# Altium PCB KB-Mouse Interface.PcbDoc (part 2 of 2)
Units mil, origin at the board's own origin, x right, y up, seen from the top; angles counter-clockwise.
Board outline 5787.4 x 4015.75 mil, 2 copper layers (Top Layer, Bottom Layer); 66 components, 141 nets, 504 pads, 138 vias.
Unrouted connection lines stored in the file: 1.
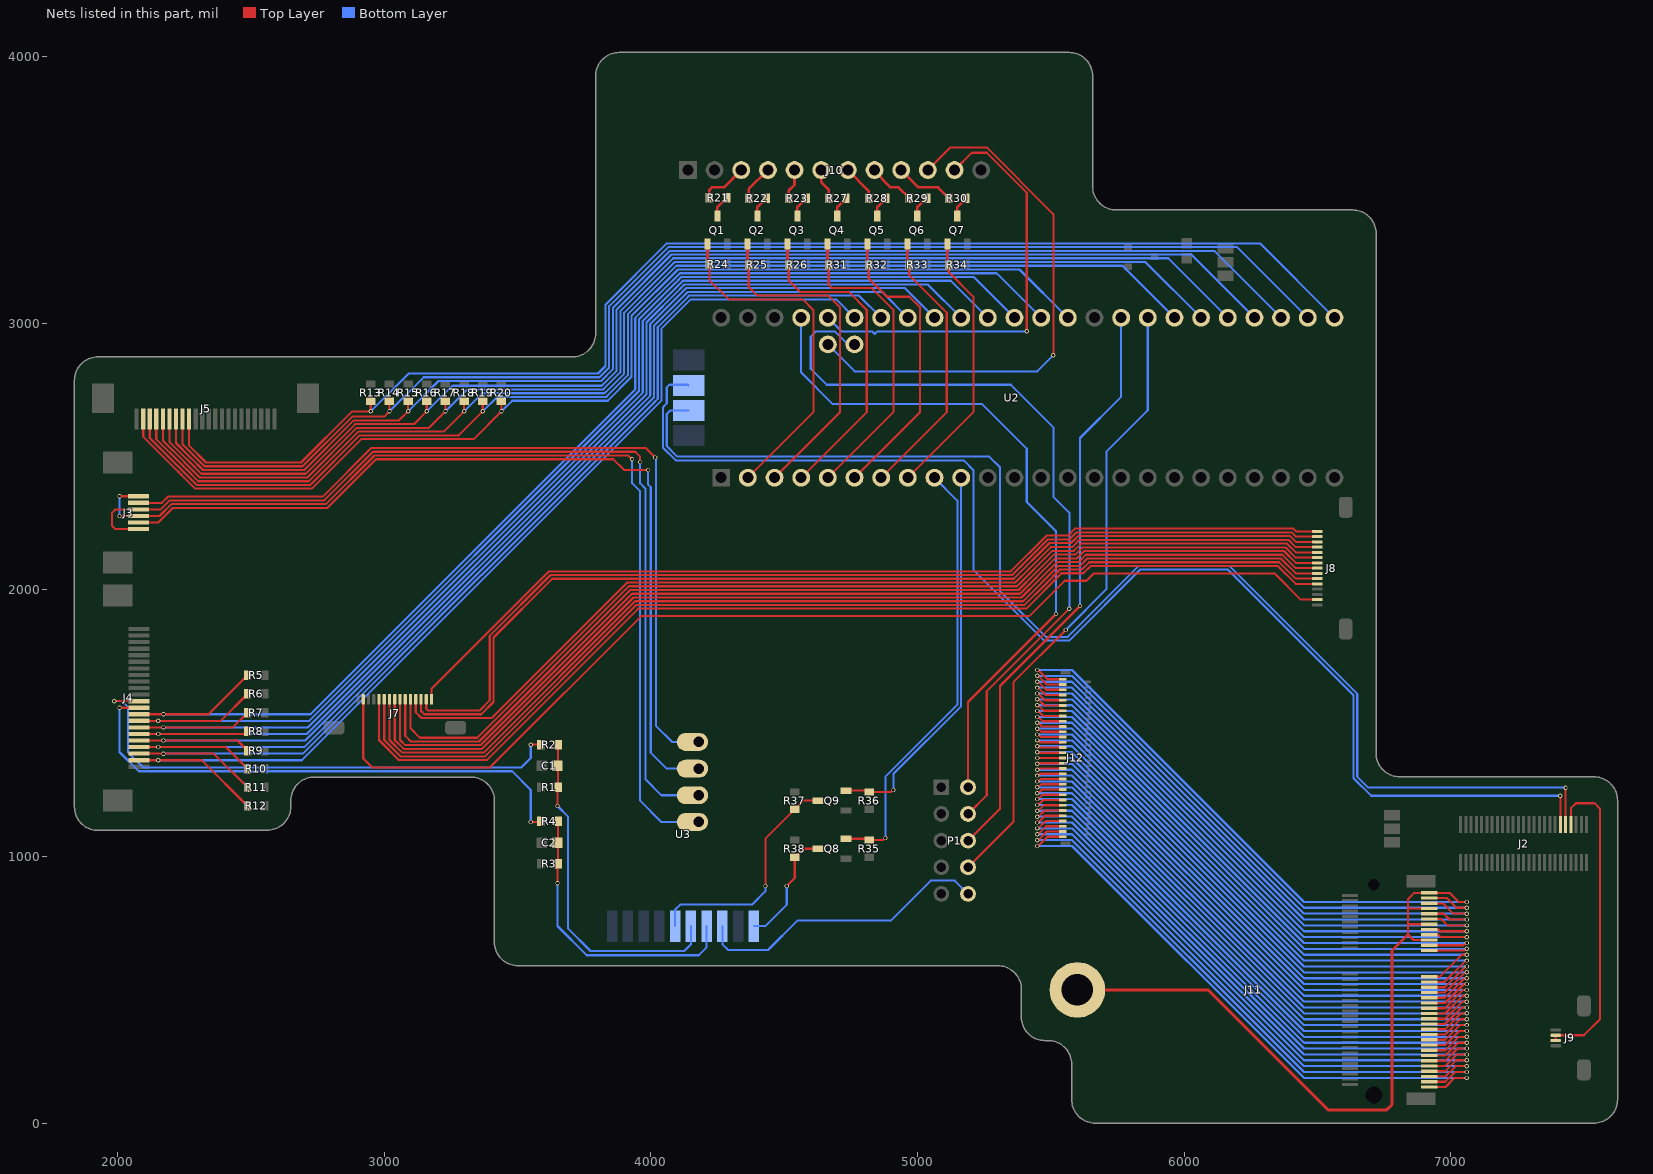
[diagram p2: the nets of this part, all layers, seen from the top]

## Via types
v1: diameter 16, hole 10, Top Layer to Bottom Layer, 138 vias

## Nets (pads, with @x,y where several pads share a name; then routed paths per layer and width w, separated by ;. In a path a pad name is that pad's centre, name@x,y a point inside that pad or via, vN(x,y) a via of type N, cw(c..) or ccw(c..) an arc to the next point about the centre after c; other vN are vias at no path point) (continued)
"M.2 GND": J11.1 J11.7 J11.13 J11.19 J11.78 J11.79 J12.61 | length 4745.1
  Top Layer w8: v1(5450,1699.84) 5453.46,1699.84 5488.18,1665.12 J12.61@5545.31,1665.12 ; J11.19@6920,687.01 6860.99,687.01 6840,708 6840,750 ; J11.13@6920,746.06 6843.94,746.06 6840,750 ; J11.7@6920,805.12 6842.88,805.12 6840,808 ; v1(7060,830) 7030,830 6995.83,864.17 J11.1@6920,864.17 6864.17,864.17 6840,840 6840,808 ; 6840,750 6840,808
  Top Layer w12: J11.79@5600.12,500 6090,500 6540,50 6760,50 6780,70 6780,648 6840,708
  Bottom Layer w8: v1(5450,1699.84) 5580,1699.84 6449.84,830 v1(7060,830)
Mouse_L_Raw: J4.12 R2.1 | length 1959.5
  Top Layer w8: v1(1987.8,1583.03) J4.12@2080,1583.03 ; v1(3550,1420) R2.1@3587.44,1420
  Bottom Layer w8: v1(1987.8,1583.03) 2016.97,1583.03 2040,1560 2040,1390 2096,1334 3514,1334 3550,1370 v1(3550,1420)
Mouse_R_Raw: J4.13 R4.1 | length 1998.3
  Top Layer w8: v1(2007.6,1558.43) J4.13@2080,1558.43 ; v1(3550,1130) 3585,1130 R4.1@3587.44,1132.44
  Bottom Layer w8: v1(2007.6,1558.43) 2007.6,1392.4 2080,1320 3480,1320 3550,1250 v1(3550,1130)
NetC1_2: C1.2 R1.2 R2.2 U3.5@4150.47,739.29 | length 1281.9
  Top Layer w8: v1(3650,1190) 3650,1257.44 R1.2@3652.56,1260 R2.2@3652.56,1420
  Bottom Layer w8: v1(3650,1190) 3690,1150 3690,730 3774,646 4126,646 4150.47,670.47 U3.5@4150.47,739.29
NetC2_2: C2.2 R3.2 R4.2 U3.4@4209.53,739.29 | length 1090.6
  Top Layer w8: v1(3650,900) 3650,969.88 R3.2@3652.56,972.44 R4.2@3652.56,1132.44
  Bottom Layer w8: v1(3650,900) 3650,740 3760,630 4180,630 4209.53,659.53 U3.4@4209.53,739.29
NetJ2_40: J2.40 U2.60 | length 4955.7
  Top Layer w8: J2.40@7411.57,1120 v1(7411.57,1228.43)
  Bottom Layer w8: U2.60@4142.13,2767.57 4139.7,2770 4070,2770 4060,2760 4060,2700 4046,2686 4046,2534 4094,2486 5174,2486 5210,2450 5210,2076 5476,1810 5569.8,1810 5836.43,2076.63 6164,2076.63 6636,1604.63 6636,1294.2 6701.78,1228.43 v1(7411.57,1228.43)
NetJ2_42: J2.42 U2.59 | length 4922.9
  Top Layer w8: J2.42@7431.26,1120 v1(7431.26,1258.74)
  Bottom Layer w8: U2.59@4142.13,2673.08 4073.08,2673.08 4060,2660 4060,2540 4100,2500 5270,2500 5310,2460 5310,1995.8 5481.8,1824 5564,1824 5830.63,2090.63 6169.8,2090.63 6650,1610.43 6650,1300 6691.26,1258.74 v1(7431.26,1258.74)
NetJ2_44: J2.44 J9.2 J9.3 | length 1187
  Top Layer w8: J9.2@7393.7,310.24 J9.3@7393.7,329.92 7499.92,329.92 7560,390 7560,1180 7540,1200 7470,1200 7450.94,1180.94 J2.44@7450.94,1120
NetJ3_1: J3.1 J3.4 U3.TP_XSIG@4180,1130 | length 3703.1
  Top Layer w8: v1(2007.72,2277.72) J3.4@2079.37,2277.72 2157.72,2277.72 2202,2322 2781.6,2322 2963.9,2504.3 3915.7,2504.3 v1(3930,2490) ; v1(2007.72,2351.5) J3.1@2079.37,2351.5
  Bottom Layer w8: v1(2007.72,2277.72) v1(2007.72,2351.5) ; v1(3930,2490) 3930,2400 3960,2370 3960,1210 4040,1130 U3.TP_XSIG@4170,1130
NetJ3_2: J3.2 U3.TP_VCC@4180,1430 | length 3220
  Top Layer w8: J3.2@2079.37,2326.89 2166.3,2326.89 2189.41,2350 2770,2350 2952.3,2532.3 3981.04,2532.3 v1(4016.67,2496.67)
  Bottom Layer w8: v1(4016.67,2496.67) 4019.11,2494.23 4019.11,1490.89 4080,1430 U3.TP_VCC@4170,1430
NetJ3_3: J3.3 J3.6 U3.TP_YSIG@4180,1230 | length 3669.7
  Top Layer w8: J3.6@2079.37,2228.5 1991.5,2228.5 1980,2240 1980,2290 1992.28,2302.28 J3.3@2079.37,2302.28 2161.69,2302.28 2195.41,2336 2775.8,2336 2958.1,2518.3 3941.7,2518.3 3960,2500 v1(3960,2480)
  Bottom Layer w8: v1(3960,2480) 3960.15,2480.15 3960.15,2399.85 3980,2380 3980,1290 4040,1230 U3.TP_YSIG@4170,1230
NetJ3_5: J3.5 U3.TP_GND@4180,1330 | length 3284.6
  Top Layer w8: J3.5@2079.37,2253.11 2153.11,2253.11 2208,2308 2787.4,2308 2969.7,2490.3 3859.7,2490.3 3900,2450 v1(3990,2450)
  Bottom Layer w8: v1(3990,2450) 3990,2395.12 4000,2385.12 4000,1390 4060,1330 U3.TP_GND@4170,1330
NetJ7_2: J7.2 J8.2 | length 4156.6
  Top Layer w8: J7.2@2921.57,1590 2921.57,1368.22 2955.8,1334 3396.2,1334 3964.2,1902 5419.79,1902 5552.42,2034.63 5634.43,2034.63 5661.8,2062 6340.01,2062 6438.23,1963.78 J8.2@6500,1963.78
NetJ7_5: J7.5 J8.5 | length 4032.7
  Top Layer w8: J7.5@2980.63,1590 2980.63,1437.17 3055.8,1362 3384.6,1362 3952.6,1930 5408.19,1930 5540.82,2062.63 5622.43,2062.63 5649.8,2090 6351.61,2090 6418.77,2022.83 J8.5@6500,2022.83
NetJ7_6: J7.6 J8.6 | length 4004.8
  Top Layer w8: J7.6@3000.31,1590 3000.31,1437.28 3061.6,1376 3378.8,1376 3946.8,1944 5402.39,1944 5479.2,2020.8 5535.02,2076.63 5616.63,2076.63 5644,2104 6357.41,2104 6418.89,2042.52 J8.6@6500,2042.52
NetJ7_7: J7.7 J8.7 | length 3976.9
  Top Layer w8: J7.7@3020,1590 3020,1437.4 3067.4,1390 3373.01,1390 3941.01,1958 5396.59,1958 5529.22,2090.63 5610.23,2090.63 5637.6,2118 6363.21,2118 6419,2062.2 J8.7@6500,2062.2
NetJ7_8: J7.8 J8.8 | length 3949
  Top Layer w8: J7.8@3039.68,1590 3039.68,1437.51 3073.2,1404 3367.21,1404 3935.21,1972 5390.79,1972 5459.4,2040.6 5523.42,2104.63 5604.43,2104.63 5631.8,2132 6369.01,2132 6419.12,2081.89 J8.8@6500,2081.89
NetJ7_9: J7.9 J8.9 | length 3921.1
  Top Layer w8: J7.9@3059.37,1590 3059.37,1437.62 3078.99,1418 3361.41,1418 3929.41,1986 5384.99,1986 5517.62,2118.63 5598.63,2118.63 5626,2146 6374.8,2146 6419.23,2101.57 J8.9@6500,2101.57
NetJ7_10: J7.10 J8.10 | length 3884.3
  Top Layer w8: J7.10@3079.06,1590 3079.06,1452.94 3100,1432 3355.61,1432 3923.61,2000 5379.2,2000 5439.6,2060.4 5511.83,2132.63 5592.63,2132.63 5620,2160 6380.6,2160 6419.34,2121.26 J8.10@6500,2121.26
NetJ7_11: J7.11 J8.11 | length 3839.8
  Top Layer w8: J7.11@3098.74,1590 3098.74,1481.26 3134,1446 3349.81,1446 3917.81,2014 5373.4,2014 5506.03,2146.63 5586.67,2146.63 5614.04,2174 6386.4,2174 6419.46,2140.94 J8.11@6500,2140.94
NetJ7_12: J7.12 J8.12 | length 3727
  Top Layer w8: J7.12@3118.43,1590 3118.43,1541.57 3140,1520 3404.01,1520 3912.01,2028 5367.6,2028 5419.8,2080.2 5500.23,2160.63 5580.87,2160.63 5608.24,2188 6392.2,2188 6419.57,2160.63 J8.12@6500,2160.63
NetJ7_13: J7.13 J8.13 | length 3838.4
  Top Layer w8: J7.13@3138.11,1590 3138.11,1545.89 3150,1534 3364,1534 3410,1580 3410,1822 3630,2042 5361.8,2042 5495.8,2176 5576.44,2176 5602.44,2202 6398,2202 6419.69,2180.32 J8.13@6500,2180.32
NetJ7_14: J7.14 J8.14 | length 3805.7
  Top Layer w8: J7.14@3157.8,1590 3157.8,1554.2 3164,1548 3358.2,1548 3396,1585.8 3396,1827.8 3624.2,2056 5356,2056 5400,2100 5490,2190 5570.64,2190 5596.64,2216 6403.89,2216 6419.89,2200 J8.14@6500,2200
NetJ7_15: J7.15 J8.15 | length 3614.8
  Top Layer w8: J7.15@3177.48,1590 3177.48,1629.08 3618.4,2070 5350.2,2070 5484.2,2204 5564.84,2204 5590.84,2230 6409.69,2230 6420,2219.69 J8.15@6500,2219.69
NetJ10_3: J10.3 R21.2 | length 179
  Top Layer w10: R21.2@4220,3471.5 4220,3500 4230,3510 4274.32,3510 J10.3@4339.37,3575.05
NetJ10_4: J10.4 R22.2 | length 134.8
  Top Layer w10: R22.2@4367.44,3470 4367.44,3503.12 J10.4@4439.37,3575.05
NetJ10_5: J10.5 R23.2 | length 114.1
  Top Layer w10: R23.2@4517.44,3470 4517.44,3497.44 4539.37,3519.37 J10.5@4539.37,3575.05
NetJ10_6: J10.6 R27.2 | length 116.7
  Top Layer w10: J10.6@4639.37,3575.05 4639.37,3530.63 4667.44,3502.56 R27.2@4667.44,3470
NetJ10_7: J10.7 R28.2 | length 137.4
  Top Layer w10: J10.7@4739.37,3575.05 4817.44,3496.98 R28.2@4817.44,3470
NetJ10_8: J10.8 R29.2 | length 176.4
  Top Layer w10: J10.8@4839.37,3575.05 4839.37,3570.63 4900,3510 4929.69,3510 R29.2@4969.69,3470
NetJ10_9: J10.9 R30.2 | length 221.6
  Top Layer w10: J10.9@4939.37,3575.05 5004.42,3510 5077.44,3510 R30.2@5117.44,3470
NetJ10_10: J10.10 U2.56 | length 2051.8
  Top Layer w8: J10.10@5039.37,3575.05 5124.32,3660 5259.8,3660 5510,3409.8 v1(5510,2880)
  Bottom Layer w8: U2.56@4664.17,2921.12 4765.29,2820 5450,2820 v1(5510,2880)
NetJ10_11: J10.11 U2.44 | length 1654.9
  Top Layer w8: J10.11@5139.37,3575.05 5204.32,3640 5260,3640 5410,3490 v1(5410,2970)
  Bottom Layer w8: U2.44@4664.17,3021.12 4715.29,2970 4830,2970 4840,2960 4850,2970 v1(5410,2970)
NetJ11_3: J11.3 J12.59 | length 2234.2
  Top Layer w8: v1(5450,1677.84) 5453.46,1677.84 5485.87,1645.43 J12.59@5545.31,1645.43 ; J11.3@6920,844.49 6985.51,844.49 7022,808 v1(7060,808)
  Bottom Layer w8: v1(5450,1677.84) 5580,1677.84 6449.84,808 v1(7060,808)
NetJ11_5: J11.5 J12.57 | length 2234.2
  Top Layer w8: v1(5450,1655.84) 5453.46,1655.84 5483.55,1625.75 J12.57@5545.31,1625.75 ; J11.5@6920,824.8 6971.2,824.8 7010,786 v1(7060,786)
  Bottom Layer w8: v1(5450,1655.84) 5580,1655.84 6449.84,786 v1(7060,786)
NetJ11_9: J11.9 J12.55 | length 2226
  Top Layer w8: v1(5450,1633.84) 5453.46,1633.84 5481.24,1606.06 J12.55@5545.31,1606.06 ; J11.9@6920,785.43 6974.57,785.43 6996,764 v1(7060,764)
  Bottom Layer w8: v1(5450,1633.84) 5580,1633.84 6449.84,764 v1(7060,764)
NetJ11_11: J11.11 J12.53 | length 2226
  Top Layer w8: v1(5450,1611.84) 5453.46,1611.84 5478.92,1586.38 J12.53@5545.31,1586.38 ; J11.11@6920,765.75 6964.25,765.75 6988,742 v1(7060,742)
  Bottom Layer w8: v1(5450,1611.84) 5580,1611.84 6449.84,742 v1(7060,742)
NetJ11_15: J11.15 J12.51 | length 2217.8
  Top Layer w8: v1(5450,1589.84) 5453.46,1589.84 5476.61,1566.69 J12.51@5545.31,1566.69 ; J11.15@6920,726.38 6954.51,726.38 6960.89,720 v1(7060,720)
  Bottom Layer w8: v1(5450,1589.84) 5580,1589.84 6449.84,720 v1(7060,720)
NetJ11_17: J11.17 J12.49 | length 2217.8
  Top Layer w8: v1(5450,1567.84) 5453.46,1567.84 5474.29,1547.01 J12.49@5545.31,1547.01 ; J11.17@6920,706.69 6954.4,706.69 6963.09,698 v1(7060,698)
  Bottom Layer w8: v1(5450,1567.84) 5580,1567.84 6449.84,698 v1(7060,698)
NetJ11_21: J11.21 J12.47 | length 2216.9
  Top Layer w8: v1(5450,1545.84) 5453.46,1545.84 5471.98,1527.32 J12.47@5545.31,1527.32 ; J11.21@6920,667.32 7047.87,667.32 7056.54,676 v1(7060,676)
  Bottom Layer w8: v1(5450,1545.84) 5580,1545.84 6449.84,676 v1(7060,676)
NetJ11_23: J11.23 J12.45 | length 2215
  Top Layer w8: v1(5450,1523.84) 5453.46,1523.84 5469.66,1507.64 J12.45@5545.31,1507.64 ; J11.23@6920,647.64 7050.18,647.64 7056.54,654 v1(7060,654)
  Bottom Layer w8: v1(5450,1523.84) 5580,1523.84 6449.84,654 v1(7060,654)
NetJ11_33: J11.33 J12.43 | length 2245.7
  Top Layer w8: v1(5450,1501.84) 5453.46,1501.84 5467.35,1487.95 J12.43@5545.31,1487.95 ; J11.33@6920,549.21 6959.21,549.21 7042,632 v1(7060,632)
  Bottom Layer w8: v1(5450,1501.84) 5580,1501.84 6449.84,632 v1(7060,632)
NetJ11_35: J11.35 J12.41 | length 2243.7
  Top Layer w8: v1(5450,1479.84) 5453.46,1479.84 5465.03,1468.27 J12.41@5545.31,1468.27 ; J11.35@6920,529.53 6976.07,529.53 7056.54,610 v1(7060,610)
  Bottom Layer w8: v1(5450,1479.84) 5580,1479.84 6449.84,610 v1(7060,610)
NetJ11_37: J11.37 J12.39 | length 2241.8
  Top Layer w8: v1(5450,1457.84) 5453.46,1457.84 5462.72,1448.58 J12.39@5545.31,1448.58 ; J11.37@6920,509.84 6978.39,509.84 7056.54,588 v1(7060,588)
  Bottom Layer w8: v1(5450,1457.84) 5580,1457.84 6449.84,588 v1(7060,588)
NetJ11_39: J11.39 J12.37 | length 2239.9
  Top Layer w8: v1(5450,1435.84) 5453.46,1435.84 5460.4,1428.9 J12.37@5545.31,1428.9 ; J11.39@6920,490.16 6978.5,490.16 7054.34,566 v1(7060,566)
  Bottom Layer w8: v1(5450,1435.84) 5580,1435.84 6449.84,566 v1(7060,566)
NetJ11_41: J11.41 J12.35 | length 2238
  Top Layer w8: v1(5450,1413.84) 5453.46,1413.84 5458.09,1409.21 J12.35@5545.31,1409.21 ; J11.41@6920,470.47 6978.61,470.47 7052.14,544 v1(7060,544)
  Bottom Layer w8: v1(5450,1413.84) 5580,1413.84 6449.84,544 v1(7060,544)
NetJ11_43: J11.43 J12.33 | length 2236.1
  Top Layer w8: v1(5450,1391.84) 5452.31,1389.53 J12.33@5545.31,1389.53 ; J11.43@6920,450.79 6978.73,450.79 7049.94,522 v1(7060,522)
  Bottom Layer w8: v1(5450,1391.84) 5580,1391.84 6449.84,522 v1(7060,522)
NetJ11_45: J11.45 J12.31 | length 2234.2
  Top Layer w8: v1(5450,1369.84) J12.31@5545.31,1369.84 ; J11.45@6920,431.1 6978.84,431.1 7047.74,500 v1(7060,500)
  Bottom Layer w8: v1(5450,1369.84) 5580,1369.84 6449.84,500 v1(7060,500)
NetJ11_47: J11.47 J12.29 | length 2234.2
  Top Layer w8: v1(5450,1347.84) 5452.31,1350.16 J12.29@5545.31,1350.16 ; J11.47@6920,411.42 6978.96,411.42 7045.54,478 v1(7060,478)
  Bottom Layer w8: v1(5450,1347.84) 5580,1347.84 6449.84,478 v1(7060,478)
NetJ11_49: J11.49 J12.27 | length 2234.2
  Top Layer w8: v1(5450,1325.84) 5453.46,1325.84 5458.09,1330.47 J12.27@5545.31,1330.47 ; J11.49@6920,391.73 6979.07,391.73 7043.34,456 v1(7060,456)
  Bottom Layer w8: v1(5450,1325.84) 5580,1325.84 6449.84,456 v1(7060,456)
NetJ11_51: J11.51 J12.25 | length 2234.2
  Top Layer w8: v1(5450,1303.84) 5453.46,1303.84 5460.4,1310.79 J12.25@5545.31,1310.79 ; J11.51@6920,372.05 6979.18,372.05 7041.14,434 v1(7060,434)
  Bottom Layer w8: v1(5450,1303.84) 5580,1303.84 6449.84,434 v1(7060,434)
NetJ11_53: J11.53 J12.23 | length 2234.2
  Top Layer w8: v1(5450,1281.84) 5453.46,1281.84 5462.72,1291.1 J12.23@5545.31,1291.1 ; J11.53@6920,352.36 6979.3,352.36 7038.94,412 v1(7060,412)
  Bottom Layer w8: v1(5450,1281.84) 5580,1281.84 6449.84,412 v1(7060,412)
NetJ11_55: J11.55 J12.21 | length 2234.2
  Top Layer w8: v1(5450,1259.84) 5453.46,1259.84 5465.03,1271.42 J12.21@5545.31,1271.42 ; J11.55@6920,332.68 6979.41,332.68 7036.73,390 v1(7060,390)
  Bottom Layer w8: v1(5450,1259.84) 5580,1259.84 6449.84,390 v1(7060,390)
NetJ11_57: J11.57 J12.19 | length 2234.2
  Top Layer w8: v1(5450,1237.84) 5453.46,1237.84 5467.35,1251.73 J12.19@5545.31,1251.73 ; J11.57@6920,312.99 6979.53,312.99 7034.53,368 v1(7060,368)
  Bottom Layer w8: v1(5450,1237.84) 5580,1237.84 6449.84,368 v1(7060,368)
NetJ11_59: J11.59 J12.17 | length 2234.2
  Top Layer w8: v1(5450,1215.84) 5453.46,1215.84 5469.66,1232.05 J12.17@5545.31,1232.05 ; J11.59@6920,293.31 6979.64,293.31 7032.33,346 v1(7060,346)
  Bottom Layer w8: v1(5450,1215.84) 5580,1215.84 6449.84,346 v1(7060,346)
NetJ11_61: J11.61 J12.15 | length 2234.2
  Top Layer w8: v1(5450,1193.84) 5453.46,1193.84 5471.98,1212.36 J12.15@5545.31,1212.36 ; J11.61@6920,273.62 6979.75,273.62 7030.13,324 v1(7060,324)
  Bottom Layer w8: v1(5450,1193.84) 5580,1193.84 6449.84,324 v1(7060,324)
NetJ11_63: J11.63 J12.13 | length 2234.2
  Top Layer w8: v1(5450,1171.84) 5453.46,1171.84 5474.29,1192.68 J12.13@5545.31,1192.68 ; J11.63@6920,253.94 6979.87,253.94 7027.93,302 v1(7060,302)
  Bottom Layer w8: v1(5450,1171.84) 5580,1171.84 6449.84,302 v1(7060,302)
NetJ11_65: J11.65 J12.11 | length 2234.2
  Top Layer w8: v1(5450,1149.84) 5453.46,1149.84 5476.61,1172.99 J12.11@5545.31,1172.99 ; J11.65@6920,234.25 6979.98,234.25 7025.73,280 v1(7060,280)
  Bottom Layer w8: v1(5450,1149.84) 5580,1149.84 6449.84,280 v1(7060,280)
NetJ11_67: J11.67 J12.9 | length 2234.2
  Top Layer w8: v1(5450,1127.84) 5453.46,1127.84 5478.92,1153.31 J12.9@5545.31,1153.31 ; J11.67@6920,214.57 6980.09,214.57 7023.53,258 v1(7060,258)
  Bottom Layer w8: v1(5450,1127.84) 5580,1127.84 6449.84,258 v1(7060,258)
NetJ11_69: J11.69 J12.7 | length 2234.2
  Top Layer w8: v1(5450,1105.84) 5453.46,1105.84 5481.24,1133.62 J12.7@5545.31,1133.62 ; J11.69@6920,194.88 6980.21,194.88 7021.33,236 v1(7060,236)
  Bottom Layer w8: v1(5450,1105.84) 5580,1105.84 6449.84,236 v1(7060,236)
NetJ11_71: J11.71 J12.5 | length 2234.2
  Top Layer w8: v1(5450,1083.84) 5453.46,1083.84 5483.55,1113.94 J12.5@5545.31,1113.94 ; J11.71@6920,175.2 6980.32,175.2 7019.13,214 v1(7060,214)
  Bottom Layer w8: v1(5450,1083.84) 5580,1083.84 6449.84,214 v1(7060,214)
NetJ11_73: J11.73 J12.3 | length 2234.2
  Top Layer w8: v1(5450,1061.84) 5453.46,1061.84 5485.87,1094.25 J12.3@5545.31,1094.25 ; J11.73@6920,155.51 6980.44,155.51 7016.92,192 v1(7060,192)
  Bottom Layer w8: v1(5450,1061.84) 5580,1061.84 6449.84,192 v1(7060,192)
NetJ11_75: J11.75 J12.1 | length 2234.2
  Top Layer w8: v1(5450,1039.84) 5453.46,1039.84 5488.18,1074.57 J12.1@5545.31,1074.57 ; J11.75@6920,135.83 6980.55,135.83 7014.72,170 v1(7060,170)
  Bottom Layer w8: v1(5450,1039.84) 5580,1039.84 6449.84,170 v1(7060,170)
NetP1_2: P1.2 U2.45 | length 2621.8
  Top Layer w8: P1.2@5190,1260 5190,1580 v1(5520,1910)
  Bottom Layer w8: U2.45@4564.17,3021.12 4564.17,2815.83 4683.06,2696.94 5243.06,2696.94 5410,2530 5410,2330 5520,2220 v1(5520,1910)
NetP1_4: P1.4 U2.57 | length 2946.1
  Top Layer w8: P1.4@5190,1160 5260,1230 5260,1620 v1(5570,1930)
  Bottom Layer w8: U2.57@4764.17,2921.12 4738.88,2921.12 4690,2970 4620,2970 4600,2950 4600,2830 4660,2770 5350,2770 5510,2610 5510,2350 5570,2290 v1(5570,1930)
NetP1_6: P1.6 U2.33 | length 2198.9
  Top Layer w8: P1.6@5190,1060 5310,1180 5310,1640 v1(5610,1940)
  Bottom Layer w8: v1(5610,1940) 5610,2570 5764.17,2724.17 U2.33@5764.17,3021.12
NetP1_8: P1.8 U2.32 | length 2340.4
  Top Layer w8: P1.8@5190,960 5360,1130 5360,1654 v1(5556,1850)
  Bottom Layer w8: v1(5556,1850) 5710,2004 5710,2520 5864.17,2674.17 U2.32@5864.17,3021.12
NetP1_10: P1.10 U3.3@4268.58,739.29 | length 1126.6
  Bottom Layer w8: U3.3@4268.58,739.29 4268.58,671.42 4290,650 4440,650 4550,760 4900,760 5050,910 5140,910 P1.10@5190,860
NetQ1_2: Q1.2 R24.2 U2.2 | length 1306
  Top Layer w8: R24.2@4220,3221.5 4220,3162 4292,3090 4570,3090 4610,3050 4610,2666.94 U2.2@4364.17,2421.12
  Top Layer w10: Q1.2@4212.6,3297.83 4212.6,3228.9 R24.2@4220,3221.5
NetQ1_3: Q1.3 R21.1 | length 83.9
  Top Layer w10: Q1.3@4250,3402.17 4250,3436.38 R21.1@4285.12,3471.5
NetQ2_2: Q2.2 R25.2 U2.3 | length 1277.8
  Top Layer w8: R25.2@4367.44,3220 4367.44,3136.56 4400,3104 4666,3104 4710,3060 4710,2666.94 U2.3@4464.17,2421.12
  Top Layer w10: Q2.2@4362.6,3297.83 4362.6,3228.9 R25.2@4370,3221.5
NetQ2_3: Q2.3 R22.1 | length 83.9
  Top Layer w10: Q2.3@4400,3402.17 4400,3436.38 R22.1@4435.12,3471.5
NetQ3_2: Q3.2 R26.2 U2.4 | length 1207.9
  Top Layer w8: R26.2@4517.44,3220 4517.44,3160.56 4560,3118 4742,3118 4810,3050 4810,2666.94 U2.4@4564.17,2421.12
  Top Layer w10: Q3.2@4512.6,3297.83 4512.6,3228.9 R26.2@4520,3221.5
NetQ3_3: Q3.3 R23.1 | length 83.9
  Top Layer w10: Q3.3@4550,3402.17 4550,3436.38 R23.1@4585.12,3471.5
NetQ4_2: Q4.2 R31.2 U2.5 | length 1167.9
  Top Layer w8: U2.5@4664.17,2421.12 4910,2666.94 4910,3051.12 4829.12,3132 4680,3132 4667.44,3144.56 R31.2@4667.44,3220
  Top Layer w10: Q4.2@4662.6,3297.83 4662.6,3228.9 R31.2@4670,3221.5
NetQ4_3: Q4.3 R27.1 | length 83.9
  Top Layer w10: Q4.3@4700,3402.17 4700,3436.38 R27.1@4735.12,3471.5
NetQ5_2: Q5.2 R32.2 U2.6 | length 1109.1
  Top Layer w8: U2.6@4764.17,2421.12 5010,2666.94 5010,3060 4970,3100 4886,3100 4817.44,3168.56 R32.2@4817.44,3220
  Top Layer w10: Q5.2@4812.6,3297.83 4812.6,3228.9 R32.2@4820,3221.5
NetQ5_3: Q5.3 R28.1 | length 83.9
  Top Layer w10: Q5.3@4850,3402.17 4850,3436.38 R28.1@4885.12,3471.5
NetQ6_2: Q6.2 R33.2 U2.7 | length 1038.2
  Top Layer w8: U2.7@4864.17,2421.12 5110,2666.94 5110,3040 4969.69,3180.31 R33.2@4969.69,3220
  Top Layer w10: Q6.2@4962.6,3297.83 4962.6,3228.9 R33.2@4970,3221.5
NetQ6_3: Q6.3 R29.1 | length 83.9
  Top Layer w10: Q6.3@5000,3402.17 5000,3436.38 R29.1@5035.12,3471.5
NetQ7_2: Q7.2 R34.2 U2.8 | length 1018.5
  Top Layer w8: U2.8@4964.17,2421.12 5210,2666.94 5210,3100 5117.44,3192.56 R34.2@5117.44,3220
  Top Layer w10: Q7.2@5112.6,3297.83 5112.6,3228.9 R34.2@5120,3221.5
NetQ7_3: Q7.3 R30.1 | length 83.9
  Top Layer w10: Q7.3@5150,3402.17 5150,3436.38 R30.1@5185.12,3471.5
NetQ8_1: Q8.1 R35.1 U2.9 | length 1651.6
  Top Layer w8: Q8.1@4732.17,1067.09 4815.16,1067.09 R35.1@4820,1062.24 4872.24,1062.24 v1(4880,1070)
  Bottom Layer w8: v1(4880,1070) 4880,1300 5150,1570 5150,2335.29 U2.9@5064.17,2421.12
NetQ9_1: Q9.1 R36.1 U2.10 | length 1459.3
  Top Layer w8: Q9.1@4732.17,1247.4 4815.16,1247.4 R36.1@4820,1242.56 4902.56,1242.56 v1(4910,1250)
  Bottom Layer w8: v1(4910,1250) 4910,1310 5164.17,1564.17 U2.10@5164.17,2421.12
PS2_CLK_5V: Q9.3 R37.1 U3.6@4091.42,739.29 | length 883.4
  Top Layer w8: v1(4430,890) 4430,1067.44 R37.1@4540,1177.44 4572.56,1210 Q9.3@4627.83,1210
  Bottom Layer w8: U3.6@4091.42,739.29 4091.42,801.42 4110,820 4380,820 4430,870 v1(4430,890)
PS2_DATA_5V: Q8.3 R38.1 U3.1@4386.69,739.29 | length 447.6
  Top Layer w8: v1(4510,890) 4540,920 R38.1@4540,997.13 4572.56,1029.69 Q8.3@4627.83,1029.69
  Bottom Layer w8: U3.1@4386.69,739.29 4429.29,739.29 4510,820 v1(4510,890)
ROW_0: J5.14 R13.1 U2.25 | length 5049.3
  Top Layer w8: J5.14@2268.5,2640.63 2268.5,2541.5 2332,2478 2688,2478 2880,2670 v1(2950,2670) R13.1@2950,2707.44
  Bottom Layer w8: v1(2950,2670) 3092.1,2812.1 3802.1,2812.1 3830,2840 3830,3070 4060,3300 6285.29,3300 U2.25@6564.17,3021.12
ROW_1: J5.15 R14.1 U2.26 | length 4970.9
  Top Layer w8: J5.15@2243.9,2640.63 2243.9,2546.3 2280.1,2510.1 2326.2,2464 2694,2464 2880,2650 3000,2650 v1(3020,2670) R14.1@3020,2707.44
  Bottom Layer w8: v1(3020,2670) 3148.1,2798.1 3807.9,2798.1 3844,2834.2 3844,3064 4066,3286 6199.29,3286 U2.26@6464.17,3021.12
ROW_2: J5.16 R15.1 U2.27 | length 4892.5
  Top Layer w8: J5.16@2219.29,2640.63 2219.29,2551.11 2270.2,2500.2 2274.3,2496.1 2320.4,2450 2699.8,2450 2885.8,2636 3056,2636 v1(3090,2670) R15.1@3090,2707.44
  Bottom Layer w8: v1(3090,2670) 3204.1,2784.1 3813.7,2784.1 3858,2828.4 3858,3057.8 4072.2,3272 6113.29,3272 U2.27@6364.17,3021.12
ROW_3: J5.17 R16.1 U2.28 | length 4814.3
  Top Layer w8: J5.17@2194.68,2640.63 2194.68,2555.92 2260.3,2490.3 2264.4,2486.2 2268.5,2482.1 2314.6,2436 2705.6,2436 2891.6,2622 3112,2622 v1(3160,2670) R16.1@3160,2707.44
  Bottom Layer w8: v1(3160,2670) 3256,2766 3815.4,2766 3819.5,2770.1 3872,2822.6 3872,3052 4078,3258 6027.29,3258 U2.28@6264.17,3021.12
ROW_4: J5.18 R17.1 U2.29 | length 4736
  Top Layer w8: J5.18@2170.08,2640.63 2170.08,2560.73 2250.4,2480.4 2254.5,2476.3 2258.6,2472.2 2262.7,2468.1 2308.8,2422 2711.4,2422 2897.4,2608 3168,2608 v1(3230,2670) R17.1@3230,2707.44
  Bottom Layer w8: v1(3230,2670) 3312,2752 3821.2,2752 3825.3,2756.1 3886,2816.8 3886,3046 4084,3244 5941.29,3244 U2.29@6164.17,3021.12
ROW_5: J5.19 R18.1 U2.30 | length 4657.6
  Top Layer w8: J5.19@2145.51,2640.63 2145.51,2565.49 2240.5,2470.5 2244.6,2466.4 2248.7,2462.3 2252.8,2458.2 2256.9,2454.1 2303.01,2408 2717.2,2408 2903.2,2594 3224,2594 v1(3300,2670) R18.1@3300,2707.44
  Bottom Layer w8: v1(3300,2670) 3368,2738 3826.99,2738 3831.1,2742.1 3900,2811.01 3900,3040 4009.5,3149.5 4009.7,3149.5 4090.2,3230 5855.29,3230 U2.30@6064.17,3021.12
ROW_6: J5.20 R19.1 U2.31 | length 4579.3
  Top Layer w8: J5.20@2120.91,2640.63 2120.91,2570.3 2230.6,2460.6 2234.7,2456.5 2238.8,2452.4 2242.9,2448.3 2247.01,2444.2 2251.11,2440.1 2297.21,2394 2722.99,2394 2908.99,2580 3280,2580 v1(3370,2670) R19.1@3370,2707.44
  Bottom Layer w8: v1(3370,2670) 3424,2724 3832.79,2724 3836.89,2728.1 3914,2805.21 3914,3034 4096,3216 5769.29,3216 U2.31@5964.17,3021.12
ROW_7: J5.21 R20.1 U2.35 | length 4201
  Top Layer w8: J5.21@2096.3,2640.63 2096.3,2575.11 2220.7,2450.7 2224.8,2446.6 2228.9,2442.5 2233.01,2438.4 2237.11,2434.3 2241.21,2430.2 2245.31,2426.1 2291.41,2380 2728.79,2380 2914.79,2566 3336,2566 v1(3440,2670) R20.1@3440,2707.44
  Bottom Layer w8: v1(3440,2670) 3480,2710 3838.59,2710 3928,2799.41 3928,3028 4102,3202 5383.29,3202 U2.35@5564.17,3021.12
ROW_8: J4.14 R5.1 U2.36 | length 4671.6
  Top Layer w8: J4.14@2080,1533.82 v1(2172.2,1533.82) 2341.26,1533.82 R5.1@2487.44,1680
  Bottom Layer w8: v1(2172.2,1533.82) 2723.82,1533.82 3942,2752 3942,3020.59 4080.7,3159.3 4084.8,3163.4 4088.9,3167.5 4093.01,3171.6 4097.11,3175.7 4101.21,3179.8 4105.31,3183.9 4109.41,3188 5297.29,3188 U2.36@5464.17,3021.12
ROW_9: J4.15 R6.1 U2.37 | length 4571.2
  Top Layer w8: J4.15@2080,1509.21 v1(2152.4,1509.21) 2386.65,1509.21 R6.1@2487.44,1610
  Bottom Layer w8: v1(2152.4,1509.21) 2719.01,1509.21 3956,2746.2 3956,3014.79 4090.6,3149.4 4094.7,3153.5 4098.8,3157.6 4102.9,3161.7 4107.01,3165.8 4111.11,3169.9 4115.21,3174 5211.29,3174 U2.37@5364.17,3021.12
ROW_10: J4.16 R7.1 U2.38 | length 4431.2
  Top Layer w8: J4.16@2080,1484.61 v1(2172.2,1484.61) 2432.05,1484.61 R7.1@2487.44,1540
  Bottom Layer w8: v1(2172.2,1484.61) 2714.2,1484.61 3970,2740.4 3970,3008.99 4100.5,3139.5 4104.6,3143.6 4108.7,3147.7 4112.8,3151.8 4116.9,3155.9 4121.01,3160 5125.29,3160 U2.38@5264.17,3021.12
ROW_11: J4.17 R8.1 U2.39 | length 4330.8
  Top Layer w8: J4.17@2080,1460 v1(2152.4,1460) 2477.44,1460 R8.1@2487.44,1470
  Bottom Layer w8: v1(2152.4,1460) 2709.4,1460 3984,2734.6 3984,3003.2 4110.4,3129.6 4114.5,3133.7 4118.6,3137.8 4122.7,3141.9 4126.8,3146 5039.29,3146 U2.39@5164.17,3021.12
ROW_12: J4.18 R9.1 U2.40 | length 4221
  Top Layer w8: J4.18@2080,1435.39 v1(2172.2,1435.39) 2449.76,1435.39 R9.1@2487.44,1397.72
  Bottom Layer w8: v1(2172.2,1435.39) 2704.59,1435.39 3998,2728.8 3998,2997.4 4120.3,3119.7 4124.4,3123.8 4128.5,3127.9 4132.6,3132 4953.29,3132 U2.40@5064.17,3021.12
ROW_13: J4.19 R10.1 U2.41 | length 4157.3
  Top Layer w8: J4.19@2080,1410.83 v1(2152.4,1410.79) 2406.65,1410.79 R10.1@2487.44,1330
  Bottom Layer w8: v1(2152.4,1410.79) 2699.78,1410.79 3720,2431 4012,2723.01 4012,2991.6 4130.2,3109.8 4134.3,3113.9 4138.4,3118 4867.29,3118 U2.41@4964.17,3021.12
ROW_14: J4.20 R11.1 U2.42 | length 4055.5
  Top Layer w8: J4.20@2080,1386.22 v1(2172.2,1386.22) 2361.22,1386.22 R11.1@2487.44,1260
  Bottom Layer w8: v1(2172.2,1386.22) 2695.01,1386.22 3364.79,2056 3365.8,2056 4010,2700.2 4010,2701.21 4026,2717.21 4026,2985.8 4140.1,3099.9 4144.2,3104 4781.29,3104 U2.42@4864.17,3021.12
ROW_15: J4.21 R12.1 U2.43 | length 3992.7
  Top Layer w8: J4.21@2080,1361.61 v1(2152.4,1361.61) 2315.83,1361.61 R12.1@2487.44,1190
  Bottom Layer w8: v1(2152.4,1361.61) 2691.21,1361.61 4040,2710.4 4040,2980 4150,3090 4695.29,3090 U2.43@4764.17,3021.12
pads on no net: J2.2 J2.3 J2.4 J2.5 J2.6 J2.7 J2.8 J2.9 J2.10 J2.11 J2.12 J2.13 J2.14 J2.15 J2.16 J2.17 J2.18 J2.19 J2.20 J2.21 J2.22 J2.23 J2.24 J2.25 J2.27 J2.28 J2.30 J2.32 J2.34 J2.35 J2.36 J2.37 J2.43 J2.45 J2.46 J2.47 J2.48 J2.50 J3.7 J3.8 J4.7 J4.22 J4.23 J5.22 J5.23 J7.16 J7.17 J8.3 J8.16 J8.17 J9.5 J9.6 J11.8 J11.12 J11.20 J11.44 J11.46 J11.48 J11.58 J11.60 J11.62 J11.66 J11.68 J11.70 J11.76 J11.77 J12.62 J12.63 P1.5 P1.7 U2.58 U2.61 U3.1@4298.11,955.83 U3.2 U3.3@4219.37,955.83 U3.4@4180,955.83 U3.5@4140.63,955.83 U3.6@4101.26,955.83 U3.7@4061.89,955.83 U3.8@4022.52,955.83 U3.9 U3.10 U3.TP_GND@4199.69,1329.99 U3.TP_VCC@4199.69,1429.99 U3.TP_XSIG@4199.69,1129.99 U3.TP_YSIG@4199.69,1229.99

## Silkscreen, mask and mechanical layers (free items; w line width, h text height)
Top Overlay:
  lines w8: 5220,3470 5300,3420 5700,3420
  text "LED Board" at 4070,3560 h40 r90
  text "Lid Sensor Power" at 6060,3330 h40
  text "This board" at 6210,3260 h40
  text "Framework" at 6210,3140 h40
  text "Teensy 3.6" at 6600,2520 h40 r90
  text "Right Keyboard" at 2130,2430 h40
  text "Trackpoint" at 2140,2260 h40
  text "Left Keyboard" at 2080,1870 h40
  text "FW Audio Board" at 6448.31,1792.32 h40 r90
  text "FW Audio Header" at 2770,1640 h40
  text "M.2 Breakout" at 5700,1579.84 h40 r270
  text "Sprintek SK-8707" at 3810,1510 h40 r90
  text "5V" at 5000,1250 h40
  text "5V Select" at 6510,1220 h40
  text "FW Front Cover" at 6970,1170 h40
  text "3V3" at 4960,1150 h40
  text "5VS" at 6610,1130 h40
  text "5VALW" at 6530,1020 h40
  text "GND" at 4960,850 h40
  text "Framework 701C Integration Board" at 3490,710 h40
  text "Rev A" at 3490,670 h40
  text "Karl Buchka, 2023" at 3490,600 h40
  text "Power Button" at 7350,90 h40 r90
Mechanical 1:
  circle w10: c4139.37,3575.05 r31.62
Mechanical 2:
  drawing of 610 lines, arcs and shapes, not listed
Mechanical 8:
  circle w7.87: c5460.63,777.81 r43.31
  circle w7.87: c3511.81,1776.23 r43.31
  circle w7.87: c4842.52,1634.11 r196.85
  circle w7.87: c5460.63,3661.67 r43.31
  lines w7.87: 3843.93,878.97 ccw(c3883.3,878.97) 3883.3,839.6 4260,839.6 4300.63,839.6 ; 3843.93,878.97 ccw(c3843.93,878.97) 3843.94,878.97 ; 3843.94,878.97 3843.94,1012.83 cw(c3883.3,1012.83) 3883.3,1052.2 ; 3883.3,1052.2 ccw(c3883.3,1052.2) 3883.3,1052.2 ; 3883.3,1052.2 3883.3,1052.2 ; 3883.3,1052.2 4139.21,1052.2 ccw(c4139.21,1091.58) 4178.58,1091.58 4178.58,1501.01 ; 4178.58,1501.02 cw(c4217.95,1501.02) 4217.95,1540.39 ; 4178.58,1501.01 ccw(c4178.58,1501.02) 4178.58,1501.02 ; 4217.95,1540.39 ccw(c4217.95,1540.39) 4217.95,1540.39 ; 4217.95,1540.39 4300.63,1540.39 cw(c4300.63,1501.02) 4340,1501.02 ; 4225,2865.63 cw(c4264.37,2865.63) 4264.37,2905 4421.85,2905 ; 4225,2865.63 ccw(c4225,2865.63) 4225,2865.63 ; 4225,2865.63 4225,2865.63 ; 4225,2865.63 4225,2574.29 ccw(c4264.37,2574.29) 4264.37,2534.92 4421.85,2534.92 ; 4300.63,839.6 ccw(c4300.63,878.97) 4340,878.97 4340,920 4340,1501.02 ; 4300.63,839.6 ccw(c4300.63,839.61) 4300.63,839.6 ; 4340,1501.02 ccw(c4340,1501.02) 4340,1501.02 ; 4421.85,2534.92 ccw(c4421.85,2574.29) 4461.22,2574.29 ; 4421.85,2534.92 ccw(c4421.85,2534.92) 4421.85,2534.92 ; 4421.86,2905 cw(c4421.86,2865.63) 4461.22,2865.63 4461.22,2574.29 ; 4421.86,2905 ccw(c4421.85,2905) 4421.85,2905 ; 4461.22,2574.29 ccw(c4461.22,2574.29) 4461.22,2574.29 ; 1838.58,1186.51 ccw(c1926.84,1186.51) 1926.84,1098.25 2561.75,1099.33 ccw(c2561.75,1187.58) 2650,1187.58 2650,1210 cw(c2738.25,1210) 2738.25,1298.25 3325.13,1298.25 cw(c3325.13,1210) 3413.39,1210 3413.39,679.06 ccw(c3501.64,679.06) 3501.64,590.8 5301.75,590.8 cw(c5301.75,502.55) 5390,502.55 5390,398.25 ccw(c5478.25,398.25) 5478.25,310 5490.49,310 cw(c5490.49,221.75) 5578.74,221.75 5578.74,88.5 ccw(c5666.99,88.5) 5666.99,0.25 7537.73,0.25 ccw(c7537.73,88.5) 7625.98,88.5 7625.98,1211.21 ccw(c7537.73,1211.21) 7537.73,1299.46 6808.73,1299.46 cw(c6808.73,1387.72) 6720.47,1387.72 6720.47,3337.21 ccw(c6632.23,3337.21) 6632.23,3425.45 5745.73,3425.45 cw(c5745.73,3513.7) 5657.48,3513.7 5657.48,3927.74 ccw(c5569.23,3927.74) 5569.23,4016 3881.56,4016 ccw(c3881.56,3927.74) 3793.31,3927.74 3793.31,2962.52 cw(c3705.05,2962.52) 3705.05,2874.27 1926.84,2874.27 ccw(c1926.84,2786.01) 1838.58,2786.01 1838.58,1186.51

## Dimensions
5569.23,4016 to 7537.73,0.25 on Mechanical 2
1838.58,2786.01 to 7625.98,1211.21 on Mechanical 2

## Text inside footprints (layer, text, board x,y; h text height)
J3: Mechanical 1 "Closed" at 1847.09,2459.29 h19.68 r270; Mechanical 1 "Open" at 1756.54,2459.29 h19.68 r270
J4: Mechanical 1 "Open" at 1757.17,1961.46 h19.68 r270; Mechanical 1 "Closed" at 1847.72,1961.46 h19.68 r270
J5: Mechanical 1 "Open" at 2696.14,2963.46 h19.68 r180; Mechanical 1 "Closed" at 2696.14,2872.91 h19.68 r180
J11: Mechanical 1 "Wurth / 9774020243R" at 5609.96,381.89 h19.68 r270; Mechanical 1 "2230" at 5600.12,933.07 h40 r270
P1: Top Overlay "10" at 5210,730 h40 r90; Top Overlay "9" at 5110,760 h40 r90; Top Overlay "1" at 5110,1340 h40 r90; Top Overlay "2" at 5210,1330 h40 r90